# Altium PCB pcb.PcbDoc (continued)
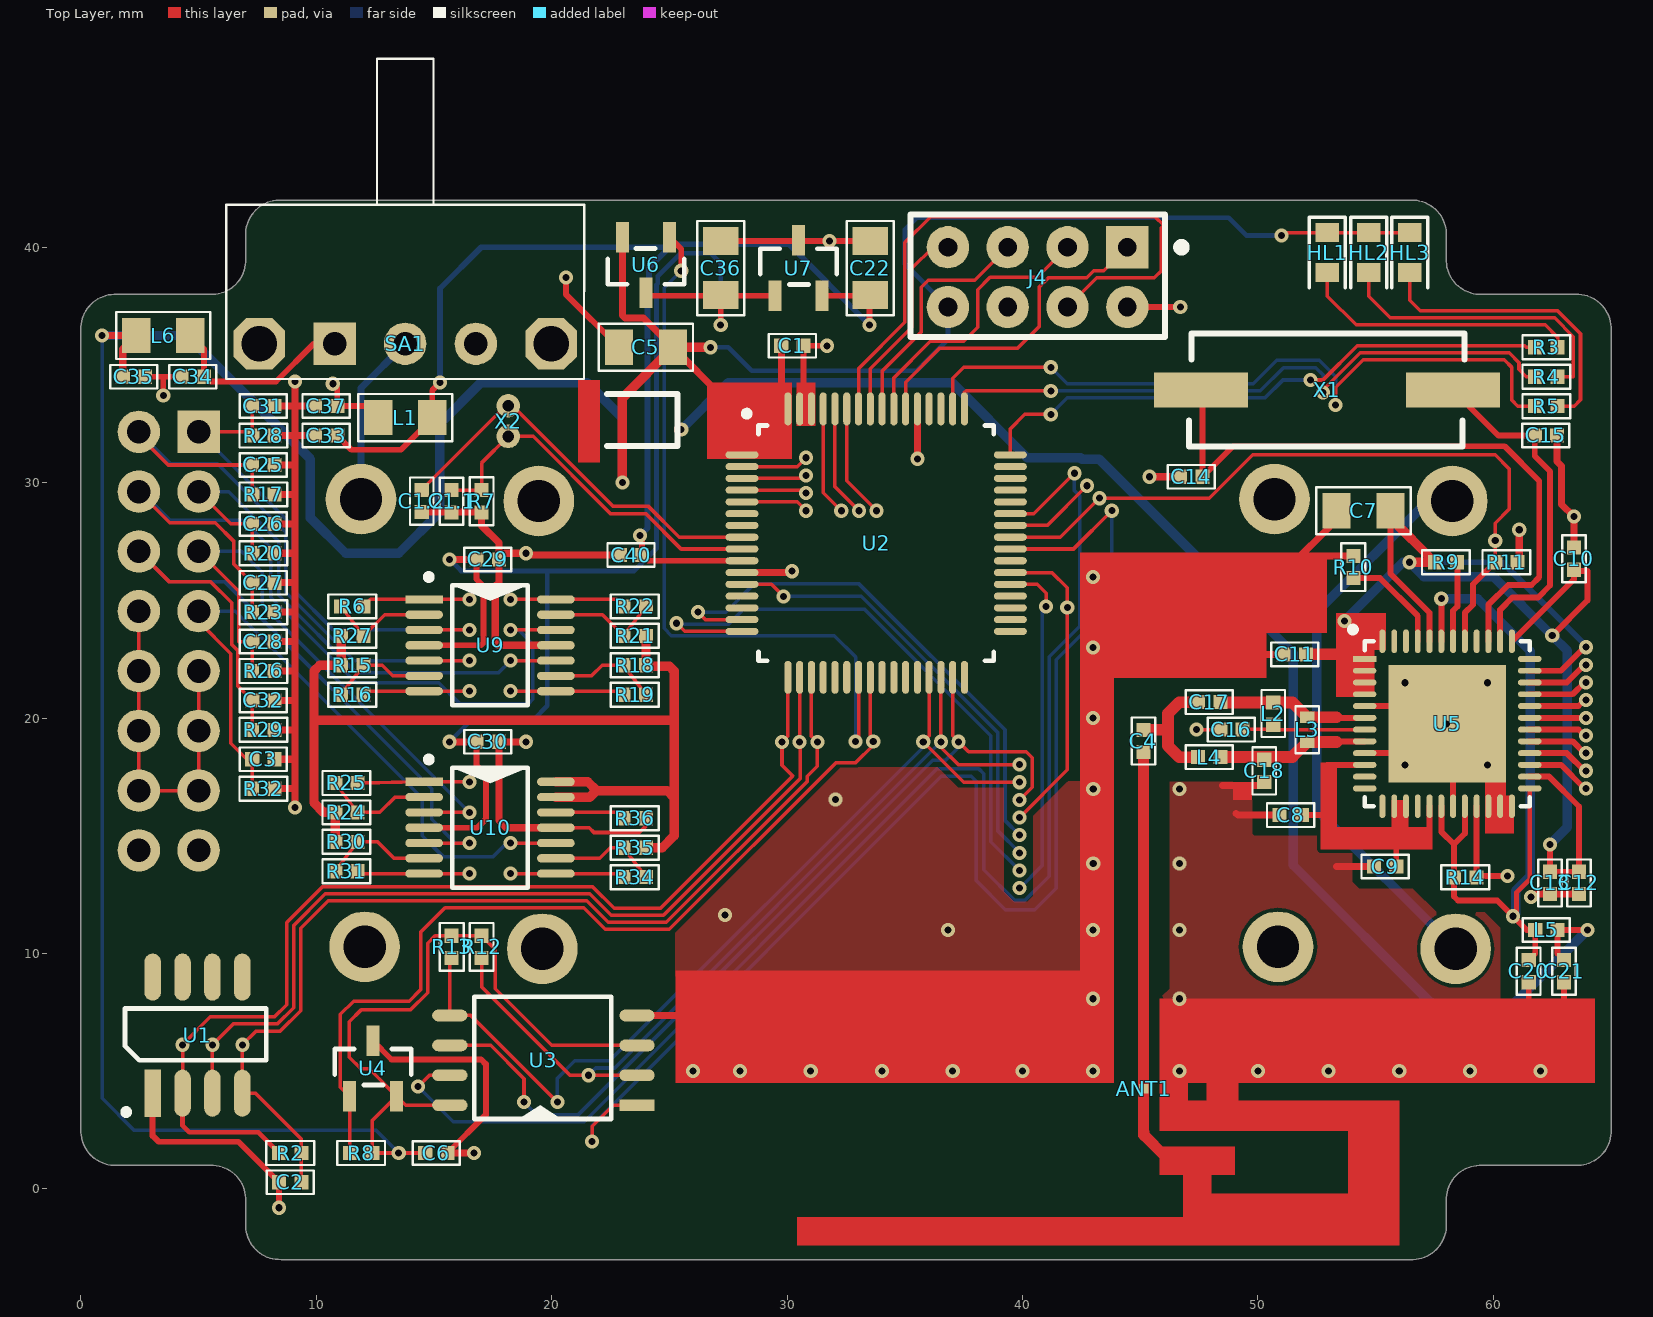
[diagram p0: Top Layer view]
## Footprints (in the part's own frame and the unit in brackets; to place one, negate y for a bottom-side part, rotate by r counter-clockwise, add the part's x,y. Pads: shape width x height; smd on the part's side, far side on the other; paste and mask are expansions set on the pad) (continued)
  silkscreen extent -1.4,-9.2 3.81,2.4
QLP-48 [mm] "LQFP-48, 48-Leads, Body 7,00x7,00mm, Pitch 0,50mm"
  rect 1x0.25 smd: 1(-3.505,2.753)
  oval 1x0.25 smd: 2(-3.505,2.253) 3(-3.505,1.753) 4(-3.505,1.253) 5(-3.505,0.753) 6(-3.505,0.253) 7(-3.505,-0.247) 8(-3.505,-0.747) 9(-3.505,-1.247) 10(-3.505,-1.747) 11(-3.505,-2.247) 12(-3.505,-2.747) 25(3.505,-2.747) 26(3.505,-2.247) 27(3.505,-1.747) 28(3.505,-1.247) 29(3.505,-0.747) 30(3.505,-0.247) 31(3.505,0.253) 32(3.505,0.753) 33(3.505,1.253) 34(3.505,1.753) 35(3.505,2.253) 36(3.505,2.753)
  oval 0.25x1 smd: 13(-2.75,-3.503) 14(-2.25,-3.503) 15(-1.75,-3.503) 16(-1.25,-3.503) 17(-0.75,-3.503) 18(-0.25,-3.503) 19(0.25,-3.503) 20(0.75,-3.503) 21(1.25,-3.503) 22(1.75,-3.503) 23(2.25,-3.503) 24(2.75,-3.503) 37(2.75,3.503) 38(2.25,3.503) 39(1.75,3.503) 40(1.25,3.503) 41(0.75,3.503) 42(0.25,3.503) 43(-0.25,3.503) 44(-0.75,3.503) 45(-1.25,3.503) 46(-1.75,3.503) 47(-2.25,3.503) 48(-2.75,3.503)
  rect 5x5 smd: 49(0,0.002)
  silkscreen extent -4.13,-3.5 3.51,4.13, body extent -3.51,-3.5 3.51,3.5, height 0.83
RES0402 [mm] "Chip Resistor, 2-Leads, Body 2,0x1,3mm, IPC Medium Density"
  rect 0.6x0.6 smd: 1(-0.475,0) 2(0.473,0)
  silkscreen extent -1.02,-0.51 1.02,0.51, body extent -0.5,-0.25 0.5,0.25, height 0.5
SHT1x [mm]
  rect 2x0.7 smd: 1(0,-1.27)
  oval 2x0.7 smd: 2(0,-2.54) 3(0,-3.81) 4(0,-5.08) NC(4.93,-5.08) NC(4.93,-3.81) NC(4.93,-2.54) NC(4.93,-1.27)
  silkscreen extent -0.92,-6.1 3.6,-0.02, body extent 0,-6.93 4.93,0.53, height 2.45
So-8W [mm] "208mils"
  rect 1.5x0.5 smd: 1(0,0)
  oval 1.5x0.5 smd: 2(0,-1.27) 3(0,-2.54) 4(0,-3.81) 5(7.95,-3.81) 6(7.95,-2.54) 7(7.95,-1.27) 8(7.95,0)
  silkscreen extent 1.09,-4.61 6.91,0.59, body extent 0.05,-4.54 7.94,0.76, height 1.95
SOT-23-3 [mm]
  rect 1.3x0.55 smd: b(-1.175,1.001) c(1.175,0) e(-1.175,-1.001)
  silkscreen extent -0.7,-1.63 0.83,1.63, body extent -1.27,-1.5 1.27,1.5, height 1.1
SOT-23-3v2 [mm]
  rect 1.3x0.55 smd: 1(-1.175,1.001) 2(-1.175,-1.001) 3(1.175,0)
  silkscreen extent -0.7,-1.63 0.83,1.63, body extent -1.27,-1.5 1.27,1.5, height 1.1
SS12F23 [mm]
  rect 1.8x1.8 hole 1: 1(0,0)
  round 1.8 hole 1: 2(3,0) 3(6,0)
  oct 2.2x2.2 hole 1.5: 4(-3.2,0) 5(9.2,0)
  silkscreen extent -4.6,-1.5 10.6,12.1, body extent -3.5,-0.8 9.5,12.1, height 6.25
TSSOP-14 [mm] "TSOP, 14-Leads, Body 5,00x4,40mm, Pitch 0,65mm, IPC Medium Density"
  rect 1.6x0.35 smd: 1(-11.2,7.8)
  oval 1.6x0.35 smd: 2(-11.2,7.15) 3(-11.2,6.5) 4(-11.2,5.85) 5(-11.2,5.2) 6(-11.2,4.55) 7(-11.2,3.9) 8(-5.6,3.9) 9(-5.6,4.55) 10(-5.6,5.2) 11(-5.6,5.85) 12(-5.6,6.5) 13(-5.6,7.15) 14(-5.6,7.8)
  silkscreen extent -11.12,3.3 -6.8,8.87, body extent -11.6,3.3 -5.2,8.4, height 1.2

## Part data
C1 C1.1 C1.2 C2 C3 C4 C6 C8 C9 C10 C11 C12 C13 C14 C15 C16 C17 C18 C20 C21 C25 C26 C27 C28 C29 C30 C31 C32 C33 C34 C35 C37 C40: library part CAP0805, "Конденсатор"
C5 C7 C22 C36: library part CAP0805
HL1 HL2 HL3: library part LED, "Светодиод красный"
J4: library part Разьем_8_под_pogopin
JP1: library part Разьем_14x
L1 L2 L3 L4 L5 L6: "Дросель"
R2 R3 R4 R5 R6 R7 R8 R9 R10 R11 R12 R13 R14 R15 R16 R17 R18 R19 R20 R21 R22 R23 R24 R25 R26 R27 R28 R29 R30 R31 R32 R34 R35 R36: "Резистор 0805"
SA1: library part L-KLS7-SS-12F19-G5
U6: "p-mosfet   -20V 3.7A"
U7: library part REF3333-QUAD
X1: library part "HC-49S 32МГц"
X2: library part "32.768 кГц"
XS1 XS2: library part "Battery AA Clips on PCB", "Напаеваемые держатели для батарей АА на ПП"

## Via types
v1: diameter 0.6, hole 0.3, Top Layer to Bottom Layer, tented both sides, 142 vias
v2: diameter 1.3, hole 0.8, Top Layer to Bottom Layer, tented bottom, 8 vias

## Nets (pads, with @x,y where several pads share a name; then routed paths per layer and width w, separated by ;. In a path a pad name is that pad's centre, name@x,y a point inside that pad or via, vN(x,y) a via of type N, cw(c..) or ccw(c..) an arc to the next point about the centre after c; other vN are vias at no path point)
ADC_1: R6.1 U2.5 U9.1 | length 23.4
  Top Layer w0.15: R6.1 12.303,25.042 U9.1 v1(16.5,25.042) ; U2.5 30.425,29.182 v1(30.8,28.807)
  SIG w0.15: v1(16.5,25.042) 16.758,25.3 17.772,25.3 18.039,25.567 26.267,25.567 29.507,28.807 v1(30.8,28.807)
ADC_2: R16.1 U2.59 U9.7 | length 32.5
  Top Layer w0.15: R16.1 12.153,21.142 U9.7 v1(16.5,21.142) ; U2.59 32.532,30.075 v1(33.8,28.807)
  SIG w0.15: v1(16.5,21.142) 17.042,20.6 18.9,20.6 19.3,21 19.3,22.3 19.6,22.6 30.049,22.6 33.8,26.351 v1(33.8,28.807)
ADC_3: R19.2 U2.60 U9.8 | length 29.7
  Top Layer w0.15: v1(18.256,21.142) U9.8 22.905,21.142 R19.2 ; U2.60 32.032,29.825 v1(33.05,28.807)
  SIG w0.15: v1(18.256,21.142) 19,21.886 19,22.7 19.2,22.9 29.924,22.9 33.05,26.026 v1(33.05,28.807)
ADC_4: R22.2 U2.61 U9.14 | length 29.4
  Top Layer w0.15: v1(18.256,25.042) U9.14 22.755,25.042 R22.2 ; U2.61 31.532,29.575 v1(32.3,28.807)
  SIG w0.15: v1(18.256,25.042) 19.1,25.042 19.3,24.842 19.3,23.4 19.5,23.2 29.8,23.2 32.3,25.7 v1(32.3,28.807)
ADC_5: R25.1 U2.2 U10.1 | length 45.8
  Top Layer w0.15: R25.1 U10.1 v1(16.5,17.292) ; U2.2 30.425,30.682 v1(30.8,31.057)
  SIG w0.15: v1(16.5,17.292) 16.5,17.2 17.1,16.6 17.1,13 16.8,12.7 16,12.7 13.624,15.076 13.624,24.124 15.717,26.217 17.416,26.217 17.674,26.475 25.902,26.475 30.484,31.057 v1(30.8,31.057)
ADC_6: R31.1 U2.3 U10.7 | length 39.1
  Top Layer w0.15: R31.1 11.853,13.392 U10.7 v1(16.5,13.392) ; U2.3 30.675,30.182 v1(30.8,30.307)
  SIG w0.15: v1(16.5,13.392) 15.808,13.392 13.924,15.276 13.924,24 15.841,25.917 17.54,25.917 17.79,26.167 26.018,26.167 30.158,30.307 v1(30.8,30.307)
ADC_7: R34.2 U2.4 U10.8 | length 39.7
  Top Layer w0.15: v1(18.256,13.392) U10.8 22.905,13.392 R34.2 ; U2.4 30.675,29.682 v1(30.8,29.557)
  SIG w0.15: v1(18.256,13.392) 17.4,14.248 17.4,17.134 16.434,18.1 14.824,18.1 14.224,18.7 14.224,23.876 15.966,25.617 17.664,25.617 17.914,25.867 26.143,25.867 29.833,29.557 v1(30.8,29.557)
CC2420_CSN: U2.38 U5.31 | length 41.9
  Top Layer w0.15: U2.38 41.247,26.182 41.9,25.529 v1(41.9,24.7) 41.9,17.798 v1(39.878,15.776)
  Top Layer w0.25: U5.31 v1(63.932,20.011)
  SIG w0.15: v1(39.878,15.776) 40.111,15.543 59.797,15.543 63.377,19.123 63.377,19.456 v1(63.932,20.011)
CCA: U2.16 U5.28 | length 53.5
  Top Layer w0.15: v1(25.298,24.028) 25.645,23.682 U2.16
  Top Layer w0.25: U5.28 63.119,18.511 63.869,17.761 v1(63.932,17.761)
  SIG w0.15: v1(39.878,13.526) 40.995,14.643 60.814,14.643 v1(63.932,17.761)
  Bottom Layer w0.15: v1(25.298,24.028) 25.35,23.976 27.494,23.976 28.13,24.613 33.289,24.613 38.654,19.248 38.654,14.75 v1(39.878,13.526)
FIFO: U2.15 U5.30 | length 51.1
  Top Layer w0.15: v1(26.213,24.501) 26.532,24.182 U2.15
  Top Layer w0.25: U5.30 63.619,19.511 63.869,19.261 v1(63.932,19.261)
  SIG w0.15: v1(39.878,15.026) 40.095,15.243 59.921,15.243 63.932,19.253 v1(63.932,19.261)
  Bottom Layer w0.15: v1(26.213,24.501) 27.397,24.501 28.592,25.696 33.054,25.696 39.254,19.496 39.254,15.65 v1(39.878,15.026)
FIFOP: U2.12 U5.29 | length 47.4
  Top Layer w0.15: U2.12 29.334,25.682 v1(29.845,25.171)
  Top Layer w0.25: U5.29 63.369,19.011 63.869,18.511 v1(63.932,18.511)
  SIG w0.15: v1(39.878,14.276) 40.545,14.943 60.364,14.943 v1(63.932,18.511)
  Bottom Layer w0.15: v1(29.845,25.171) 33.155,25.171 38.954,19.372 38.954,15.2 v1(39.878,14.276)
GND: C1.1.2 C1.2 C1.2.2 C2.1 C3.1 C5.2 C6.1 C7.2 C8.2 C9.2 C10.1 C11.2 C12.2 C13.2 C14.2 C15.2 C16.2 C18.2 C20.1 C21.1 C22.1 C25.2 C26.2 C27.1 C28.1 C29.1 C30.1 C31.2 C32.1 C33.1 C34.1 C35.1 C36.2 C37.1 C40.1 J4.2 R7.2 R10.1 R11.1 R17.1 R20.1 R23.2 R26.2 R28.1 R29.2 R32.2 R36.1 U1.1 U2.11 U2.53 U2.62 U2.63 U3.4 U4.3 U5.5 U5.9 U5.19 U5.22 U5.23 U5.24 U5.49 U7.3 U9.11 U10.11 XS2.2 | length 140.4
  Top Layer w0.15: U10.11 21.59,15.342 21.793,15.138 23.724,15.138 24.003,15.417 R36.1 ; v1(47.396,19.507) C16.2
  Top Layer w0.25: C35.1 3.5,34.5 ; U1.1 3.047,2.253 3.3,2 6.697,2 C2.1 v1(8.415,-0.8) ; v1(3.5,33.7) 3.5,34.5 ; C34.1 3.5,34.5 ; U4.3 13.197,5.5 17,5.5 17.2,5.3 17.2,3.149 C6.1 ; v1(20.6,38.718) 20.6,38.005 C5.2 ; C36.2 C22.1 ; 30.7,34.1 30.7,35.813 C1.2 v1(31.7,35.813) v1(31.7,35.813) ; v2(44.45,37.46) v1(46.7,37.46) ; U5.9 56.788,18.511 U5.49 ; U5.5 57.288,20.511 U5.49 ; U5.19 58.288,19.51 U5.49 ; 61.5,7.75 C20.1 ; 63,7.5 C21.1
  Top Layer w0.3: R32.2 9.1,17 ; R29.2 9,19.5 9.1,19.4 ; R26.2 9,22 9.1,21.9 ; R23.2 9.1,24.5 ; C26.2 9.05,28.25 9.1,28.2 ; C25.2 9.05,30.75 9.1,30.7 ; C31.2 9.1,33.25 ; C3.1 9.05,18.25 9.1,18.3 ; C32.1 9.05,20.75 9.1,20.8 ; C28.1 9.05,23.25 9.1,23.2 ; C27.1 9.05,25.75 9.1,25.7 ; R20.1 9.1,27 ; R17.1 9.1,29.5 ; R28.1 9.1,32 ; v1(9.1,16.2) 9.1,17 ; v1(9.1,34.3) 9.1,33.25 ; C33.1 9.1,32 ; C37.1 9.1,33.25 ; C1.2.2 R7.2@17.009,28.746 ; C6.1 v1(16.7,1.524) ; R7.2 R7.2@17.009,28.746 ; v1(18.9,18.992) C30.1 17.753,15.647 18.058,15.342 U10.11 ; U9.11 17.708,23.092 17.6,23.2 17.6,25.597 17.753,25.75 C29.1 ; C40.1 18.976,26.924 v1(18.9,27) 18.01,27 C29.1 ; U3.4 25.534,7.366 25.6,7.3 ; U2.11 30.144,26.182 v1(30.201,26.238) ; v1(35.532,31.014) U2.53 ; v1(45.386,30.251) C14.2 ; 48.5,17.129 C18.2@50.267,17.129 ; 49.073,15.951 49.149,15.875 C8.2 ; 49.838,22.708 C11.2 ; 51.218,26.299 53.335,28.416 C7.2 ; 52.095,26.608 52.095,26.891 R10.1 ; 53.34,13.691 C9.2 ; R11.1 61.1,26.691 v1(61.1,28) ; v1(61.595,12.395) 61.722,12.522 C13.2 C12.2 ; C15.2 62.703,30.9 62.9,30.703 62.9,29.079 v1(63.424,28.555) C10.1 ; 9.1,17 9.1,18.3 ; 9.1,18.3 9.1,19.4 ; 9.1,19.4 9.1,20.8 ; 9.1,20.8 9.1,21.9 ; 9.1,21.9 9.1,23.2 ; 9.1,23.2 9.1,24.5 ; 9.1,24.5 9.1,25.7 ; 9.1,25.7 9.1,27 ; 9.1,27 9.1,28.2 ; 9.1,28.2 9.1,29.5 ; 9.1,29.5 9.1,30.7 ; 9.1,30.7 9.1,32 ; 9.1,32 9.1,33.25 ; R7.2@17.009,28.746 17.009,28.191 17.753,27.447 C29.1
  other v1: 26,5 28,5 31,5 34.032,5 37.032,5 40,5 43,5 46.66,5 50,5 53,5 56.002,5 59,5 62,5 43,8.077 46.66,8.077 36.83,10.998 43,11 46.66,11 27.356,11.633 43.002,13.818 46.66,13.818 32.055,16.535 43.002,16.993 46.66,16.993 56.25,18 59.75,18 58,19.75 43,20 56.25,21.5 59.75,21.5 43,23 43,26 31.8,40.264
MOSFET_ON: U2.23 U6.b | length 32.1
  Top Layer w0.15: v1(32.907,19.011) 33.032,19.136 U2.23
  Top Layer w0.25: U6.b 25.5,39.926 v1(25.5,39)
  Bottom Layer w0.15: v1(25.5,39) 24.773,38.273 24.773,23.811 25.084,23.5 32,23.5 32.907,22.593 v1(32.907,19.011)
NetANT1_0: ANT1.0 C4.2 | length 14.3
  Top Layer w0.46: C4.2 45.136,4.257 ANT1.0
NetC1.1_1: C1.1.1 R7.1 U2.9 X2.1 | length 15.9
  Top Layer w0.15: C1.1.1 R7.1 17.018,30.832 X2.1 19.209,31.966 22.487,28.688 23.988,28.688 25.494,27.182 U2.9
NetC1.2_1: C1.2.1 U2.8 X2.2 | length 17.4
  Top Layer w0.15: C1.2.1 18.05,33.266 X2.2 18.333,33.266 22.611,28.988 24.112,28.988 25.418,27.682 U2.8
NetC2_2: C2.2 R2.2 U1.4 U2.19 | length 43.3
  Top Layer w0.15: C2.2 R2.2 9.363,2.12 7.419,4.064 U1.4 v1(6.857,6.121) 7.441,6.706 8.472,6.706 9.338,7.572 9.338,11.065 10.511,12.238 21.486,12.238 22.4,11.324 24.869,11.324 30.851,17.306 30.851,17.526 31.282,17.957 v1(31.282,18.982) 31.032,19.232 U2.19
NetC4_1: C4.1 C17.1 L4.1 | length 5.3
  Top Layer w0.5: C4.1@45.22,19.507 46.177,19.507 ; L4.1 46.66,18.339 46.177,18.821 46.177,19.507 ; C17.1 46.66,20.676 46.177,20.193 46.177,19.507
NetC14_1: C14.1 U5.39 X1.2 | length 27.5
  Top Layer w0.25: X1.2 47.642,33.874 C14.1 48.938,31.547 60.477,31.547 61.951,30.074 61.951,25.984 61.62,25.654 60.63,25.654 59.788,24.812 U5.39
NetC15_1: C15.1 U5.38 X1.1 | length 14.8
  Top Layer w0.25: X1.1 60.212,32.004 C15.1 61.755,31.132 62.408,30.48 62.408,25.629 61.9,25.121 60.808,25.121 60.288,24.601 U5.38
NetC34_2: C34.2 L6.1 SA1.1 | length 8.3
  Top Layer w0.25: L6.1 5.223,35.675 C34.2 5.423,34.3 8.287,34.3 9.887,35.9 SA1.1
NetC37_2: C37.2 JP1.8 JP1.9 JP1.10 JP1.11 JP1.12 JP1.13 JP1.14 L1.2 | length 32.6
  Top Layer w0.15: JP1.8 JP1.10 JP1.12 JP1.14 JP1.13 JP1.11 JP1.9
  Top Layer w0.25: v1(10.7,34.2) 10.887,34.013 C37.2 12.143,33.25 L1.2
  SIG w0.15: JP1.8 3.67,25.75 6,25.75 9.25,29 9.25,32.75 v1(10.7,34.2)
NetHL1_C: HL1.C R3.1 | length 11.9
  Top Layer w0.15: HL1.C 52.949,37.923 54.172,36.7 62.2,36.7 62.725,36.175 R3.1
NetHL2_C: HL2.C R4.1 | length 12.8
  Top Layer w0.15: HL2.C 54.699,37.923 55.622,37 62.6,37 63.4,36.2 63.4,34.5 R4.1
NetHL3_C: HL3.C R5.1 | length 12.9
  Top Layer w0.15: HL3.C 56.449,37.751 56.9,37.3 62.724,37.3 63.7,36.324 63.7,33.519 63.431,33.25 R5.1
NetJ4_1: J4.1 U2.54 | length 13.9
  Top Layer w0.15: U2.54 35.032,34.264 36.468,35.7 39.776,35.7 40.7,36.624 40.7,38.3 41.1,38.7 42.726,38.7 43.026,39 43.45,39 v2(44.45,40)
NetJ4_3: J4.3 U2.55 | length 11.9
  Top Layer w0.15: U2.55 34.532,34.446 36.086,36 37.5,36 38.1,36.6 38.1,38.2 38.618,38.718 40.628,38.718 v2(41.91,40)
NetJ4_4: J4.4 U2.58 | length 26.1
  Top Layer w0.15: U2.58 33.032,34.846 35,36.814 35,40.2 36.1,41.3 45.629,41.3 46,40.929 45.9,40.829 45.9,39 45.6,38.7 43.15,38.7 v2(41.91,37.46)
NetJ4_5: J4.5 U2.56 | length 10.2
  Top Layer w0.15: U2.56 34.032,34.732 35.7,36.4 35.7,38.3 36,38.6 37.97,38.6 v2(39.37,40)
NetJ4_7: J4.7 U2.57 | length 8.6
  Top Layer w0.15: U2.57 33.532,34.832 35.3,36.6 35.3,39.1 36.2,40 v2(36.83,40)
NetR2_1: R2.1 U1.2 U2.17 | length 46
  Top Layer w0.15: U1.2 v1(4.317,6.121) 5.501,7.306 8.223,7.306 8.738,7.82 8.738,11.313 10.262,12.838 21.734,12.838 22.649,11.924 24.621,11.924 30.237,17.54 29.782,17.995 v1(29.782,18.982) 30.032,19.232 U2.17
  Top Layer w0.2: U1.2 4.317,2.683 4.6,2.4 7.539,2.4 R2.1
NetR3_2: R3.2 U2.48 | length 24.9
  Top Layer w0.15: U2.48 39.482,32.282 40.1,32.9 v1(41.2,32.9) ; v1(52.239,34.361) 52.763,34.361 54.217,35.814 61.338,35.814 61.402,35.75 R3.2
  Bottom Layer w0.15: v1(41.2,32.9) 41.9,33.6 50.3,33.6 51.061,34.361 v1(52.239,34.361)
NetR4_2: R4.2 U2.49 | length 27.6
  Top Layer w0.15: U2.49 37.532,33.83 37.602,33.9 v1(41.2,33.9) ; v1(52.77,33.83) 52.77,33.943 54.341,35.514 60.674,35.514 61.088,35.1 61.088,34.814 61.402,34.5 R4.2
  Bottom Layer w0.15: v1(41.2,33.9) 50.1,33.9 51.086,34.886 52.457,34.886 52.77,34.573 v1(52.77,33.83)
NetR5_2: R5.2 U2.50 | length 31.3
  Top Layer w0.15: U2.50 37.032,34.432 37.5,34.9 v1(41.2,34.9) ; v1(53.3,33.3) 53.3,34.049 54.465,35.214 60.463,35.214 60.788,34.889 60.788,33.496 61.034,33.25 R5.2
  Bottom Layer w0.15: v1(41.2,34.9) 41.9,34.2 49.8,34.2 50.8,35.2 52.6,35.2 53.3,34.5 v1(53.3,33.3)
NetR6_2: R6.2 R27.1 U9.2 | length 4.5
  Top Layer w0.15: R6.2 R27.1 12.903,24.392 U9.2
NetR8_1: R8.1 U2.24 U4.1 | length 38.5
  Top Layer w0.15: R8.1 11.425,3.921 U4.1 11.024,4.323 11.024,7.417 11.582,7.976 13.945,7.976 14.427,8.458 14.427,10.897 15.469,11.938 21.361,11.938 22.276,11.024 24.994,11.024 32.08,18.11 32.918,18.11 33.657,18.849 v1(33.657,19.011) 33.532,19.136 U2.24
NetR9_1: R9.1 U5.42 | length 3.4
  Top Layer w0.25: U5.42 58.288,24.557 58.471,24.74 58.471,26.608 R9.1
NetR10_2: R10.2 U5.45 | length 4.5
  Top Layer w0.25: R10.2 55.185,25.943 56.788,24.34 U5.45
NetR15_1: R15.1 R16.2 U9.6 | length 4.3
  Top Layer w0.15: R16.2 R15.1 12.8,22.242 13.25,21.792 U9.6
NetR18_2: R18.2 R19.1 U9.9 | length 4.6
  Top Layer w0.15: U9.9 21.692,21.792 22.142,22.242 R18.2 R19.1
NetR21_2: R21.2 R22.1 U9.13 | length 4.8
  Top Layer w0.15: U9.13 22.155,24.392 R21.2 R22.1
NetR24_1: R24.1 R25.2 U10.2 | length 4.7
  Top Layer w0.15: R25.2 R24.1 12.692,15.992 13.342,16.642 U10.2
NetR30_1: R30.1 R31.2 U10.6 | length 4.7
  Top Layer w0.15: R31.2 R30.1 12.6,14.742 13.3,14.042 U10.6
NetR34_1: R34.1 R35.2 U10.9 | length 4.6
  Top Layer w0.15: U10.9 22.042,14.042 22.492,14.492 R35.2 R34.1
NetR36_2: R36.2 U10.12 | length 3
  Top Layer w0.15: U10.12 22.805,15.992 R36.2
NetSA1_2: SA1.2 XS1.1 | length 7.4
  Bottom Layer w0.3: XS1.1 11.9,34.025 SA1.2
NetU1_3: U1.3 U2.18 | length 38.8
  Top Layer w0.15: U1.3 v1(5.587,6.121) 6.471,7.006 8.347,7.006 9.038,7.696 9.038,11.189 10.387,12.538 21.61,12.538 22.524,11.624 24.745,11.624 30.551,17.43 30.551,18.963 v1(30.532,18.982) U2.18
NetU2_40: U2.40 U3.1 | length 56.7
  Top Layer w0.15: v1(21.717,2.007) 21.717,2.667 22.606,3.556 U3.1 ; U2.40 42.164,27.182 v1(43.791,28.809)
  Bottom Layer w0.15: v1(21.717,2.007) 21.717,2.692 36.551,17.526 37.821,17.526 38.024,17.323 38.024,13.106 39.268,11.862 40.513,11.862 41.427,12.776 41.427,22.479 43.791,24.843 v1(43.791,28.809)
NetU2_43: U2.43 U3.7 | length 61.5
  Top Layer w0.15: v1(14.326,4.343) 14.808,4.826 U3.7 ; U2.43 40.482,28.682 v1(42.2,30.4)
  Bottom Layer w0.15: v1(14.326,4.343) 15.811,2.858 21.375,2.858 36.373,17.856 38.125,17.856 38.354,17.628 38.354,13.558 39.661,12.251 40.095,12.251 41.127,13.283 41.127,22.603 42.425,23.901 42.425,29.433 42.205,29.652 42.205,30.395 v1(42.2,30.4)
NetXS1_2: XS1.2 XS2.1 | length 24.4
  Bottom Layer w0.4: XS1.2 57.219,29.219 52.5,24.5 52.5,16.1 XS2.1
NRESET: R14.1 U2.42 U5.21 | length 49.1
  Top Layer w0.15: U2.42 41.043,28.182 v1(42.73,29.87)
  Top Layer w0.25: U5.21 59.288,13.246 R14.1 59.326,13.284 v1(60.604,13.284)
  SIG w0.15: v1(42.73,29.87) 39.345,26.484 39.345,12.319 39.573,12.09 40.157,12.09 41.351,13.284 v1(60.604,13.284)
OP_VCC: C29.2 C30.2 C36.1 U6.c U7.1 U9.4 U10.4 | length 58.9
  Top Layer w0.25: U10.4 16.834,15.342 17.2,15.708 17.2,17.6 16.805,17.995 C30.2 ; U9.4 16.992,23.092 17.1,23.2 17.1,25.605 16.805,25.9 C29.2 ; U6.c 24.134,37.941 C36.1@27.178,37.941 ; v1(27.178,36.7) C36.1@27.178,37.941 ; C36.1 C36.1@27.178,37.941 ; U7.1 C36.1@27.178,37.941
  Top Layer w0.3: v1(15.658,18.992) C30.2 ; v1(15.658,26.742) C29.2
  Bottom Layer w0.2: v1(15.658,18.992) 16.604,19.939 19.228,19.939 19.812,20.523 19.812,26.225 19.787,26.25 ; v1(15.658,26.742) 16.15,26.25 19.787,26.25 ; v1(27.178,36.7) 27.178,39.322 26.75,39.75 25.472,39.75 24.5,38.778 24.5,38.46 24.448,38.408 24.448,27.198 23.5,26.25 19.787,26.25
RF_N: C18.1 L3.1 L4.2 U5.8 | length 6.4
  Top Layer w0.25: 53.332,19.011 U5.8
  Top Layer w0.5: L4.2 48.412,18.348 51.462,18.348 L3.1 53.332,18.982
RF_P: C17.2 L2.2 L3.2 U5.6 | length 6.4
  Top Layer w0.25: 53.332,20.011 U5.6
  Top Layer w0.5: C17.2 48.412,20.666 L2.2 51.462,20.666 L3.2 53.332,20.032
SCLK: U2.31 U3.6 U5.32 | length 67.6
  Top Layer w0.15: U3.6 17.407,6.096 18.821,4.681 v1(18.821,3.683) ; U2.31 37.032,19.242 v1(37.282,18.992) 37.707,18.567 40.157,18.567 40.411,18.313 40.411,17.059 v1(39.878,16.526)
  Top Layer w0.25: U5.32 63.619,20.511 63.869,20.761 v1(63.932,20.761)
  SIG w0.15: v1(39.878,16.526) 40.561,15.843 59.673,15.843 63.077,19.247 63.077,19.906 v1(63.932,20.761)
  Bottom Layer w0.15: v1(18.821,3.683) 19.346,3.158 21.136,3.158 36.19,18.212 36.728,18.212 37.282,18.765 v1(37.282,18.992)
SFD: U2.37 U5.27 | length 43.3
  Top Layer w0.15: U2.37 40.618,25.682 41,25.3 v1(41,24.742)
  Top Layer w0.25: U5.27 62.869,18.011 63.869,17.011 v1(63.932,17.011)
  SIG w0.15: v1(39.878,12.776) 41.445,14.343 61.264,14.343 v1(63.932,17.011)
  Bottom Layer w0.15: v1(39.878,12.776) 40.827,13.725 40.827,24.569 v1(41,24.742)
SI: R13.1 U2.29 U3.5 U5.33 | length 68.7
  Top Layer w0.15: R13.1 15.672,9.73 U3.5 16.561,7.366 v1(20.244,3.683) ; U2.29 36.032,19.242 v1(35.782,18.992) 37.498,17.276 v1(39.878,17.276)
  Top Layer w0.25: U5.33 63.369,21.011 63.869,21.511 v1(63.932,21.511)
  SIG w0.15: v1(39.878,17.276) 41.011,16.143 59.549,16.143 62.777,19.371 62.777,20.356 v1(63.932,21.511)
  Bottom Layer w0.15: v1(20.244,3.683) 20.244,4.699 20.98,5.436 22.454,5.436 35.782,18.764 v1(35.782,18.992)
SIG_T1: C31.1 JP1.1 R28.2 U9.3 | length 22.1
  Top Layer w0.15: JP1.1 7.117,32.16 R28.2 C31.1 C31.1 ; U9.3 v1(16.5,23.742)
  Bottom Layer w0.15: JP1.1 9,28.16 9,25.473 10.731,23.742 v1(16.5,23.742)
SIG_T2: C25.1 JP1.2 R17.2 U9.5 | length 28.2
  Top Layer w0.15: JP1.2 2.46,32.006 3.716,30.75 C25.1 C25.1 R17.2 ; U9.5 v1(16.5,22.442)
  Bottom Layer w0.15: JP1.2 3.82,30.8 5.8,30.8 8.7,27.9 8.7,25.349 11.607,22.442 v1(16.5,22.442)
SIG_T3: C26.1 JP1.3 R20.2 U9.10 | length 24
  Top Layer w0.15: JP1.3 6.37,28.25 C26.1 R20.2 R20.2 ; v1(18.256,22.442) U9.10
  Bottom Layer w0.15: JP1.3 6.28,29.62 8.4,27.5 8.4,25.224 11.707,21.917 17.731,21.917 v1(18.256,22.442)
SIG_T4: C27.2 JP1.4 R23.1 U9.12 | length 35.5
  Top Layer w0.15: JP1.4 3.78,28.3 5.7,28.3 6.5,27.5 6.5,26.527 C27.2 R23.1 R23.1 ; v1(18.256,23.742) U9.12
  Bottom Layer w0.15: JP1.4 2.58,29.62 3.8,28.4 6.9,28.4 8.071,27.229 8.071,25.129 11.7,21.5 15.2,21.5 16.083,20.617 19.017,20.617 19.2,20.8 19.2,23.142 18.6,23.742 v1(18.256,23.742)
SIG_T5: C28.2 JP1.5 R26.1 U10.3 | length 25.2
  Top Layer w0.15: JP1.5 6.7,25.38 6.7,23.251 6.701,23.25 C28.2 C28.2 R26.1 ; U10.3 v1(16.5,15.992)
  Bottom Layer w0.15: JP1.5 6.82,27.08 7.7,26.2 7.7,24.8 16.5,16 v1(16.5,15.992)
SIG_T6: C32.2 JP1.6 R29.1 U10.5 | length 32.5
  Top Layer w0.15: JP1.6 3.74,25.8 5.5,25.8 6.4,24.9 6.4,23.124 6.67,22.854 6.67,21.357 C32.2 7.277,19.501 R29.1 ; U10.5 v1(16.5,14.692)
  Bottom Layer w0.15: JP1.6 3.74,25.8 6.1,25.8 14.9,17 14.9,15.7 15.908,14.692 v1(16.5,14.692)
SIG_T7: C3.2 JP1.7 R32.1 U10.10 | length 29.3
  Top Layer w0.15: JP1.7 5,24.1 6.37,22.73 6.37,18.93 7.05,18.25 C3.2 R32.1 R32.1 ; v1(18.256,14.692) U10.10
  Bottom Layer w0.15: JP1.7 6.56,24.54 14.5,16.6 14.5,15 15.4,14.1 17.5,14.1 18.092,14.692 v1(18.256,14.692)
SO: R12.1 U2.30 U3.2 U5.34 | length 67.4
  Top Layer w0.15: R12.1 17.018,8.582 20.774,4.826 v1(21.565,4.826) U3.2 ; U2.30 v1(36.532,18.992) 36.532,18.764 37.27,18.026 v1(39.878,18.026)
  Top Layer w0.25: U5.34 63.119,21.511 63.869,22.261 v1(63.932,22.261)
  SIG w0.15: v1(39.878,18.026) 41.461,16.443 59.424,16.443 62.477,19.496 62.477,20.806 v1(63.932,22.261)
  Bottom Layer w0.15: v1(21.565,4.826) 21.874,5.136 22.676,5.136 v1(36.532,18.992)
TXRX: C16.1 L2.1 U5.7 | length 5.2
  Top Layer w0.15: C16.1 49.352,19.515 50.648,19.515 50.656,19.507 51.13,19.507 51.134,19.511 U5.7
VBAT: C1.1 C5.1 C6.2 C21.2 C35.2 HL1.A HL2.A HL3.A J4.8 L5.1 L6.2 R8.2 R12.2 R13.2 U2.1 U2.64 U3.3 U3.8 U4.2 U6.e | length 260.4
  Top Layer w0.15: C6.2 v1(13.5,1.524) R8.2 12.373,2.907 U4.2 ; U3.8 13.792,3.556 U4.2 ; U3.3 20.004,6.096 17.6,8.5 17.6,10.172 R12.2 R13.2 15.042,10.754 14.727,10.439 14.727,8.334 13.993,7.6 11.9,7.6 11.405,7.105 11.405,5.595 11.9,5.1 12.248,5.1 U4.2 ; v1(51,40.5) 51.122,40.622 HL1.A HL3.A
  Top Layer w0.25: C21.2 62.725,9.999 L5.1 v1(64,11)
  Top Layer w0.3: v1(0.9,36.25) L6.2 1.777,35.675 C35.2 ; U6.e 22.999,37.106 23.105,37 23.9,37 C5.1 27.3,33.6 ; C1.1 29.751,34.031 29.782,34
  Top Layer w0.4: v1(23,30) 23,33.6 C5.1 v1(26.75,35.75)
  SIG w0.4: v1(0.9,36.25) 5.5,36.25 7,37.75 21.25,37.75 22,37 22,35.75 v1(25.5,32.25)
  Bottom Layer w0.15: v1(0.9,36.25) 0.9,3.85 2.25,2.5 12.524,2.5 v1(13.5,1.524)
  Bottom Layer w0.2: v1(26.75,35.75) 27.5,35.75 28.5,34.75 35.5,34.75 36.83,36.08 v2(36.83,37.46) 35,39.29 35,40.75 35.5,41.25 48.75,41.25 49.5,40.5 v1(51,40.5)
  Bottom Layer w0.4: v1(0.9,36.25) 4.5,36.25 9.75,31 9.75,28.5 11.25,27 13.5,27 15.25,28.75 15.25,32.5 17,34.25 21.5,34.25 23,32.75 v1(23,30) ; v1(25.5,32.25) 27.5,34.25 37,34.25 40.2,31.05 42.469,31.05 42.519,31 43.25,31 51.5,22.75 51.5,13.75 57.5,7.75 60.75,7.75 v1(64,11)
VCC_F: C20.2 L5.2 R14.2 U5.18 U5.20 U5.25 U5.43 | length 35.1
  Top Layer w0.2: v1(60.833,11.582) 60.985,11.735 60.985,12.598 61.543,13.156 U5.25
  Top Layer w0.25: U5.18 57.788,15.171 58.323,14.635 58.788,15.1 U5.20 ; U5.43 v1(57.788,25.07) ; 58.328,14.64 R14.2 58.328,12.422 58.5,12.25 60.165,12.25 v1(60.833,11.582) 61.415,11 L5.2 61.777,10 C20.2
  Bottom Layer w0.4: v1(57.788,25.07) 59.334,25.07 61.57,22.835 61.57,13.289 60.945,12.664 60.945,11.694 v1(60.833,11.582)
VDDA_1.8V: C7.1 C10.2 C11.1 C12.1 C13.1 R9.2 U5.1 U5.2 U5.3 U5.4 U5.26 U5.35 U5.37 U5.44 U5.48 | length 60.1
  Top Layer w0.25: C7.1@55.631,28.501 C7.1 55.626,28.799 55.626,26.137 57.288,24.475 U5.44 ; U5.37 63.424,25.896 C10.2 63.472,26.25 64,26.25 64,25 v1(62.5,23.5) ; U5.26 62.369,17.511 63.633,16.246 C12.1 C13.1 v1(62.408,14.635) ; U5.35 62.869,22.011 63.869,23.011 v1(63.932,23.011)
  Top Layer w0.4: C7.1@55.631,28.501 R9.2 v1(56.439,26.619)
  Top Layer w0.5: C11.1 53.569,22.708
  Bottom Layer w0.25: v1(56.439,26.619) 60.381,26.619 63.932,23.068 v1(63.932,23.011)
  Bottom Layer w0.4: v1(53.67,24.13) 56.159,26.619 v1(56.439,26.619) 57.048,26.01 59.99,26.01 v1(62.5,23.5) 63.144,22.856 63.144,15.372 v1(62.408,14.635)
VDDA_CC2420: C8.1 C9.1 U5.10 U5.14 U5.15 U5.17 | length 5.1
  Top Layer w0.25: C8.1 52.857,15.875 52.883,15.9 ; 52.883,17.958 52.936,18.011 U5.10 ; C9.1 55.872,14.724 55.88,14.732 ; 57.252,14.884 57.288,14.921 U5.17
VIRT_GND: R15.2 R18.1 R21.1 R24.2 R27.2 R30.2 R35.1 U10.13 U10.14 | length 43.7
  Top Layer w0.4: R30.2 R24.2 10.308,15.992 9.9,16.4 9.9,19.9 ; R27.2 R15.2 10.142,22.242 9.9,22 9.9,19.9 ; U10.13 21.622,16.642 21.9,16.92 ; U10.14 21.528,17.292 21.9,16.92 ; R35.1 24.692,14.492 25.2,15 25.2,16.623 ; R21.1 R18.1 24.045,22.2 25.001,22.2 25.2,22.001 25.2,19.9 9.9,19.9 ; 25.2,19.8 25.2,16.623 ; 21.9,16.92 24.903,16.92 25.2,16.623
VREF+: C22.2 C33.2 C40.2 L1.1 U2.10 U7.2 | length 52.2
  Top Layer w0.25: C33.2 11.487,31.4 13.6,31.4 14.923,32.723 L1.1 14.923,33.923 v1(15.25,34.25) ; v1(23.75,27.75) 23.841,27.659 C40.2 24.083,26.682 U2.10 ; U7.2 C22.2@33.501,37.941 ; v1(33.501,36.7) C22.2@33.501,37.941 ; C22.2 C22.2@33.501,37.941
  Bottom Layer w0.25: v1(15.25,34.25) 15.25,38.25 17,40 25,40 ; v1(23.75,27.75) 24.073,28.073 24.073,38.563 24.125,38.615 24.125,39.125 25,40 ; v1(33.501,36.7) 30.076,40.125 25.125,40.125 25,40
VREG_EN: R11.2 U2.41 U5.41 | length 31
  Top Layer w0.15: U2.41 41.603,27.682 v1(43.261,29.339) 47.932,29.339 49.775,31.182 60.08,31.182 60.681,30.582 60.681,28.88 60.081,28.28 v1(60.081,27.534) R11.2
  Top Layer w0.25: U5.41 58.788,24.473 59.131,24.816 59.131,25.682 60.068,26.619 R11.2
pads on no net: J4.6 JP1.15 JP1.16 SA1.3 SA1.4 SA1.5 U1.NC U2.6 U2.7 U2.13 U2.14 U2.20 U2.21 U2.22 U2.25 U2.26 U2.27 U2.28 U2.32 U2.33 U2.34 U2.35 U2.36 U2.39 U2.44 U2.45 U2.46 U2.47 U2.51 U2.52 U5.11 U5.12 U5.13 U5.16 U5.36 U5.40 U5.46 U5.47 XS1.0 XS2.0
copper on no net:
  other v2: 39.37,37.46

## Polygon pours and split planes (outlines as drawn)
GND on Top Layer "Bottom Layer-NetT1_6" (solid, pour order 3): 25.248,9.271 25.248,10.871 32.283,17.907 36.373,17.907 36.398,17.907 37.16,17.145 37.211,17.094 37.262,17.043 39.192,17.043 39.192,12.649 39.649,12.192 40.208,12.192 40.462,12.446 40.462,13.106 40.462,15.85 41.859,17.247 41.935,17.323 42.494,17.323 42.494,9.068 39.218,9.068 25.451,9.068 25.248,8.865
GND on Top Layer "Bottom Layer-NetT1_6" (solid, pour order 2): 60.288,8.077 60.288,11.101 59.639,11.75 57.585,11.75 56.585,12.75 55,12.75 54.301,12.75 54.051,13 54,13.051 54,15 49.838,15 49.75,15.088 49.75,16.51 49.25,16.51 48.938,16.822 48.938,17.292 46.25,17.292 46.25,14.692 46.25,8.506 45.822,8.077
GND on Bottom Layer "Bottom Layer-NetT1_6" (solid, pour order 7): 45.06,28.55 64.313,28.55 64.313,8.077 64.313,7.112 45.161,7.112
GND on Bottom Layer "Bottom Layer-NetT1_6" (solid, pour order 5): 43.891,4.496 25.248,4.496 25.248,5.893 36.424,17.069 37.186,17.069 37.44,17.069 37.643,16.866 37.643,13.233 37.643,13.03 39.141,11.532 39.218,11.455 40.615,11.455 40.615,11.506 41.707,12.598 41.783,12.675 41.783,16.434 41.783,22.454 43.891,24.562 44.044,24.714 44.044,27.788 44.806,28.55 44.882,28.55 45.06,28.55 45.949,27.661 50.267,23.343 50.267,21.59 50.267,14.097 52.172,12.192 56.998,7.366 59.715,7.366 61.036,7.366 61.747,8.077 61.773,8.103 64.313,8.103 64.313,4.496 57.023,4.496
GND on GND (split plane): 191 vertices, not listed, extent 0.508,-2.492 64.492,41.492

## Other copper
Top Layer:
  rectangle net GND: 30.4,32.4 31.2,34.264
  rectangle net VBAT: 26.6,31 30.2,34.264
  rectangle net GND: 48.938,16.51 49.75,17.292
  rectangle net VDDA_CC2420: 55.677,14.427 56.388,16.51
  rectangle net VDDA_CC2420: 53.34,14.427 57.404,15.367
  rectangle net VDDA_CC2420: 52.654,14.427 53.365,18.11
  rectangle net GND: 25.248,4.496 42.443,9.271
  rectangle net GND: 45.822,4.496 64.313,8.077
  rectangle net GND: 43.866,21.692 50.368,23.622
  rectangle net GND: 42.443,4.496 43.891,23.622
  rectangle net GND: 42.443,23.622 52.934,27.026
  rectangle net VDDA_1.8V: 54.94,22.885 55.448,24.46
  rectangle net VDDA_1.8V: 53.315,20.904 54.94,24.46
  rectangle net GND: 59.639,16.561 60.528,17.424
  rectangle net GND: 59.639,15.088 60.884,16.713
GND (plane layer: these items are gaps in the copper):
  rectangle: 11.176,-3.251 28.981,1.016
  rectangle: 23.038,-3.277 58.946,4.547

## Silkscreen, mask and mechanical layers (free items; w line width, h text height)
Mechanical 1:
  the board outline again, w0.3
Mechanical 29:
  text "BLUE" at 56.591,37.033 h1.5
  text "RED" at 50.394,37.008 h1.5
  text "GRN" at 53.619,37.008 h1.5